# Allegro board Microroc_Hardroc2b_Test_Board.brd (continued)
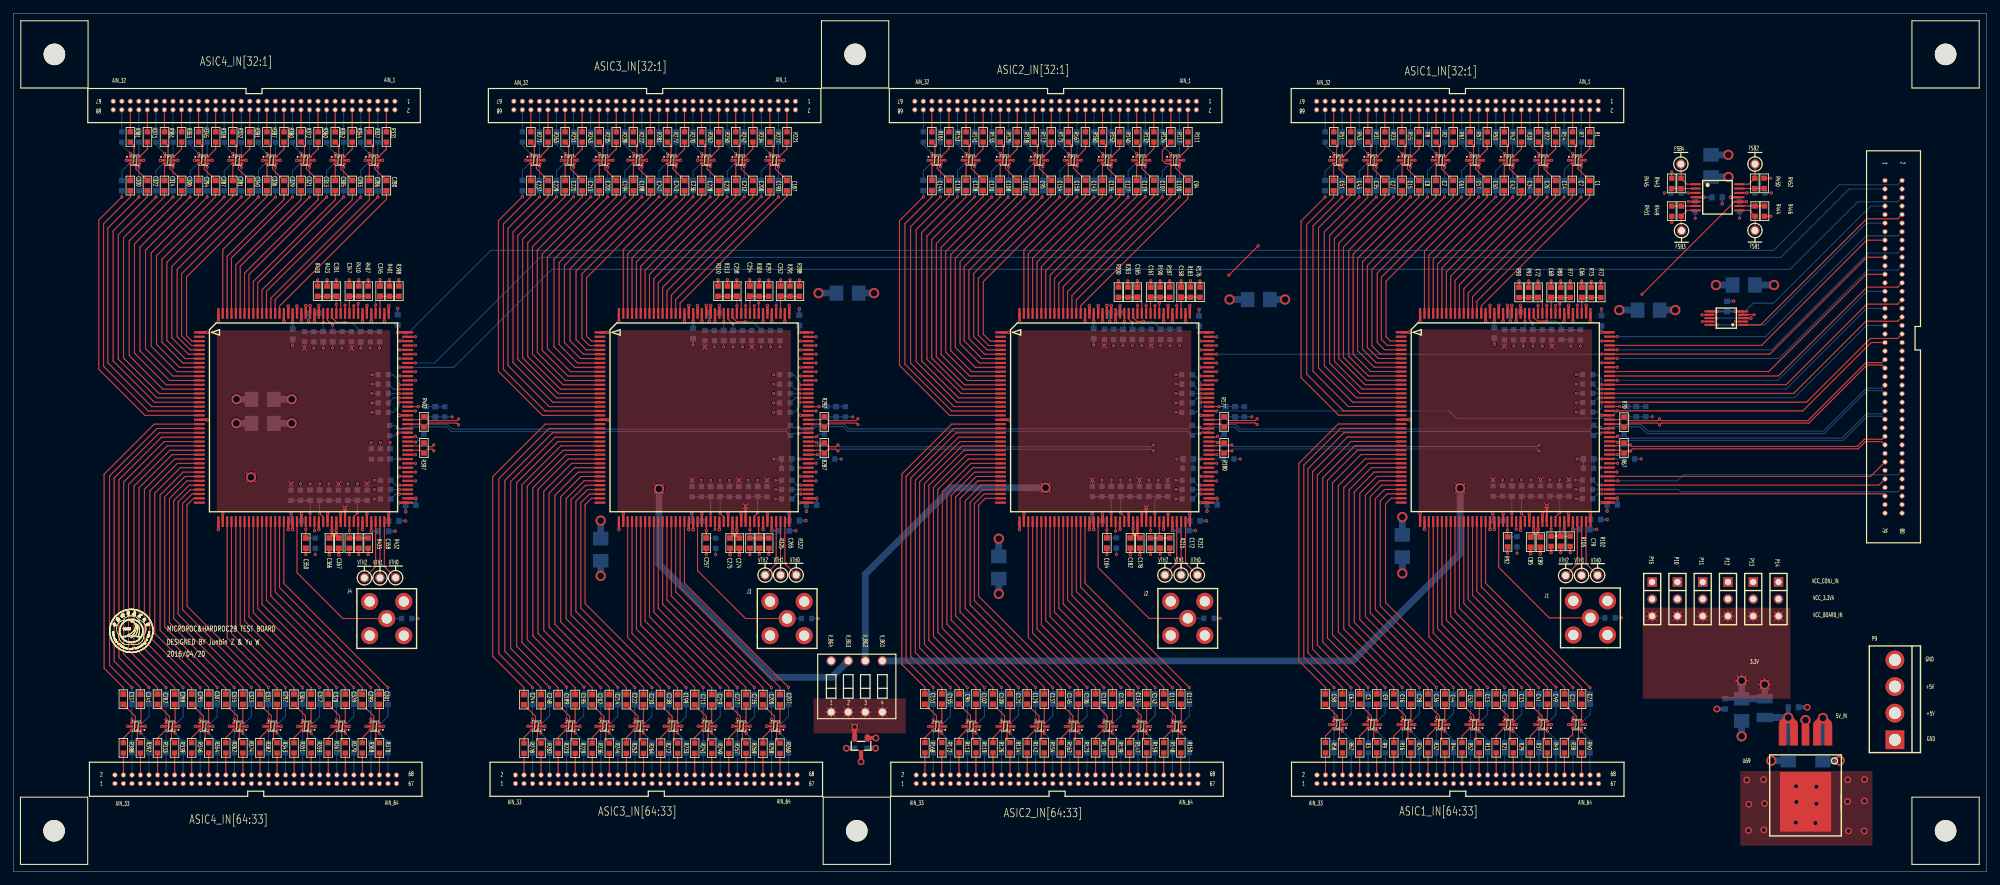
[diagram p0: board, top side]
## Routing (per net, layer and track width the routed paths; a pad name or vN(x,y) marks a point on that pad's centre or on a via; arc(x,y) is an arc through that point) (continued)
AIN_53_ASIC4: length 3.3
  TOP w0.152: R351.1 41.77,17.64 P8.44
AIN_54_ASIC1: length 3.3
  BOTTOM w0.152: R25.1 P1.46
AIN_54_ASIC2: length 3.3
  BOTTOM w0.152: P4.46 162.28,14.38 R135.1
AIN_54_ASIC3: length 3.2
  BOTTOM w0.152: R245.1 102.65,17.59 P6.46
AIN_54_ASIC4: length 3.3
  BOTTOM w0.152: P8.46 43.04,17.64 R355.1
AIN_55_ASIC1: length 3.3
  TOP w0.152: R29.1 P1.48
AIN_55_ASIC2: length 3.3
  TOP w0.152: R139.1 163.55,14.38 P4.48
AIN_55_ASIC3: length 3.2
  TOP w0.152: P6.48 103.92,17.59 R249.1
AIN_55_ASIC4: length 3.3
  TOP w0.152: R359.1 44.31,17.64 P8.48
AIN_56_ASIC1: length 3.3
  BOTTOM w0.152: R33.1 P1.50
AIN_56_ASIC2: length 3.3
  BOTTOM w0.152: P4.50 164.82,14.38 R143.1
AIN_56_ASIC3: length 3.2
  BOTTOM w0.152: P6.50 105.19,17.59 R253.1
AIN_56_ASIC4: length 3.3
  BOTTOM w0.152: P8.50 45.58,17.64 R363.1
AIN_57_ASIC1: length 3.3
  TOP w0.152: R37.1 P1.52
AIN_57_ASIC2: length 3.3
  TOP w0.152: R147.1 P4.52
AIN_57_ASIC3: length 3.2
  TOP w0.152: R257.1 106.46,17.59 P6.52
AIN_57_ASIC4: length 3.3
  TOP w0.152: R367.1 46.85,17.64 P8.52
AIN_58_ASIC1: length 3.3
  BOTTOM w0.152: R45.1 P1.54
AIN_58_ASIC2: length 3.3
  BOTTOM w0.152: R155.1 167.36,14.38 P4.54
AIN_58_ASIC3: length 3.2
  BOTTOM w0.152: R265.1 107.73,17.59 P6.54
AIN_58_ASIC4: length 3.3
  BOTTOM w0.152: R375.1 48.12,17.64 P8.54
AIN_59_ASIC1: length 3.3
  TOP w0.152: R49.1 P1.56
AIN_59_ASIC2: length 3.3
  TOP w0.152: R159.1 P4.56
AIN_59_ASIC3: length 3.2
  TOP w0.152: R269.1 109,17.6 P6.56
AIN_59_ASIC4: length 3.3
  TOP w0.152: R379.1 49.39,17.64 P8.56
AIN_60_ASIC1: length 3.3
  BOTTOM w0.152: R53.1 P1.58
AIN_60_ASIC2: length 3.3
  BOTTOM w0.152: R163.1 169.9,14.38 P4.58
AIN_60_ASIC3: length 3.2
  BOTTOM w0.152: P6.58 110.27,17.59 R273.1
AIN_60_ASIC4: length 3.3
  BOTTOM w0.152: P8.58 50.66,17.64 R383.1
AIN_61_ASIC1: length 3.3
  TOP w0.152: R38.1 P1.60
AIN_61_ASIC2: length 3.3
  TOP w0.152: R148.1 P4.60
AIN_61_ASIC3: length 3.2
  TOP w0.152: P6.60 111.54,17.59 R258.1
AIN_61_ASIC4: length 3.3
  TOP w0.152: P8.60 51.93,17.64 R368.1
AIN_62_ASIC1: length 3.3
  BOTTOM w0.152: R39.1 P1.62
AIN_62_ASIC2: length 3.3
  BOTTOM w0.152: R149.1 172.47,14.39 P4.62
AIN_62_ASIC3: length 3.2
  BOTTOM w0.152: R259.1 112.81,17.59 P6.62
AIN_62_ASIC4: length 3.3
  BOTTOM w0.152: P8.62 53.2,17.64 R369.1
AIN_63_ASIC1: length 3.3
  TOP w0.152: R40.1 P1.64
AIN_63_ASIC2: length 3.3
  TOP w0.152: R150.1 P4.64
AIN_63_ASIC3: length 3.2
  TOP w0.152: R260.1 114.08,17.59 P6.64
AIN_63_ASIC4: length 3.3
  TOP w0.152: R370.1 54.47,17.64 P8.64
AIN_64_ASIC1: length 3.3
  BOTTOM w0.152: R41.1 P1.66
AIN_64_ASIC2: length 3.3
  BOTTOM w0.152: R151.1 174.98,14.38 P4.66
AIN_64_ASIC3: length 3.2
  BOTTOM w0.152: R261.1 115.35,17.59 P6.66
AIN_64_ASIC4: length 3.3
  BOTTOM w0.152: R371.1 55.74,17.64 P8.66
CHIPSATB: length 243.9
  TOP w0.152: U71.30 280.42,84.48 275.79,84.48 263.8,72.49 U17.108 v1(236.35,72.49) ; U51.108 v1(117.01,72.47) ; U34.108 v1(176.73,72.47) ; U68.108 v1(57.41,72.47)
  SIG w0.152: v1(57.41,72.47) 75.17,72.47 75.92,73.23 114.71,73.23 115.46,72.47 v1(117.01,72.47) 135.29,72.47 135.94,73.13 174.32,73.13 174.97,72.47 v1(176.73,72.47) 191.47,72.47 192.28,73.28 234.26,73.28 235.05,72.49 v1(236.35,72.49)
  BOTTOM w0.152: v1(117.01,72.47) 117.01,73.03 116.08,73.96 R301.2 ; R191.2 175.64,73.96 176.74,72.87 176.74,72.48 v1(176.73,72.47) ; v1(57.41,72.47) 57.41,73.09 56.54,73.96 R411.2 ; v1(236.35,72.49) 236.35,73.31 235.66,73.99 R81.2
CK_5N: length 235.5
  TOP w0.152: v1(57.12,66.09) 57.24,65.97 U68.98 ; v1(176.56,66.14) 176.72,65.97 U34.98 ; U51.98 117.01,65.97 v1(116.89,66.09) ; U17.98 237.5,65.99 236.27,65.99 v1(236.15,66.1)
  BOTTOM w0.152: U71.49 278.05,71.96 275.72,71.96 269.32,65.56 243.26,65.56 242.24,66.57 237.72,66.57 236.98,65.83 236.42,65.83 v1(236.15,66.1) 236.12,66.14 235.49,66.14 R69.1 234.62,65.89 182.52,65.89 181.86,66.55 178.31,66.55 177.61,65.85 176.85,65.85 v1(176.56,66.14) 175.74,66.14 R182.1 174.9,65.91 124.31,65.91 123.62,66.6 119.26,66.6 118.37,65.71 117.27,65.71 v1(116.89,66.09) 115.93,66.09 115.6,66.42 115.04,65.86 65.32,65.86 64.61,66.57 59.51,66.57 58.78,65.84 57.37,65.84 v1(57.12,66.09) 57.12,66.16 56.86,66.42 56.01,66.42
CK_5P: length 235.4
  TOP w0.152: U34.97 176.67,65.32 v1(176.56,65.21) ; U68.97 57.23,65.32 v1(57.12,65.21) ; v1(116.89,65.21) 117.01,65.32 U51.97 ; v1(236.15,65.24) 236.25,65.34 U17.97
  BOTTOM w0.152: U71.51 278.05,71.6 275.86,71.6 269.46,65.2 243.11,65.2 242.09,66.22 237.87,66.22 237.13,65.48 236.39,65.48 v1(236.15,65.24) 236.12,65.28 235.54,65.28 R69.2 234.57,65.53 182.38,65.53 181.72,66.19 178.46,66.19 177.76,65.5 176.85,65.5 v1(176.56,65.21) 175.72,65.21 R182.2 174.8,65.56 124.16,65.56 123.47,66.24 119.41,66.24 118.52,65.35 117.04,65.35 v1(116.89,65.21) 115.9,65.21 R290.2 114.99,65.51 65.18,65.51 64.47,66.22 59.66,66.22 58.92,65.48 57.39,65.48 v1(57.12,65.21) 56.8,64.9 R400.2
CK_40N: length 251.7
  TOP w0.152: U71.43 278.05,75.77 275.67,75.77 267.04,67.13 245.21,67.13 v1(244.96,67.39) 244.7,67.13 240.21,67.13 R70.2 239.3,67.29 U17.100 ; v1(66.24,67.4) 65.98,67.13 61.67,67.13 R402.2 60.64,67.27 U68.100 ; v1(125.68,67.43) 125.38,67.13 121.26,67.13 R292.2 120.23,67.27 U51.100 ; U34.100 179.72,67.27 R177.2 180.72,67.16 184.81,67.16 v1(185.09,67.43)
  SIG w0.152: v1(244.96,67.39) 244.7,67.13 216.46,67.13 215.24,65.91 191.84,65.91 190.67,67.08 185.44,67.08 v1(185.09,67.43) 184.81,67.16 174.79,67.16 173.57,65.94 132.07,65.94 130.88,67.13 125.98,67.13 v1(125.68,67.43) 125.41,67.17 115.2,67.17 113.82,65.79 73.05,65.79 71.7,67.13 66.51,67.13 v1(66.24,67.4)
CK_40P: length 251.7
  TOP w0.152: v1(66.24,66.51) 65.98,66.78 61.67,66.78 R402.1 60.66,66.62 U68.99 ; U71.45 278.05,75.41 275.82,75.41 267.18,66.78 245.23,66.78 v1(244.96,66.5) 244.68,66.78 240.31,66.78 R70.1 239.18,66.64 U17.99 ; v1(185.09,66.55) 184.84,66.8 180.77,66.8 R177.1 179.73,66.62 U34.99 ; U51.99 120.24,66.62 R292.1 121.26,66.78 125.45,66.78 v1(125.68,66.55)
  SIG w0.152: v1(66.24,66.51) 66.51,66.78 71.56,66.78 72.9,65.43 113.97,65.43 115.35,66.81 125.41,66.81 v1(125.68,66.55) 125.91,66.78 130.73,66.78 131.93,65.58 173.72,65.58 174.94,66.8 184.84,66.8 v1(185.09,66.55) 185.27,66.73 190.53,66.73 191.69,65.56 215.39,65.56 216.61,66.78 244.68,66.78 v1(244.96,66.5)
DOUT1B: length 246.4
  TOP w0.152: U68.104 v1(57.41,69.87) ; U34.104 v1(176.73,69.87) ; v1(236.35,69.89) U17.104 266.84,69.89 276.33,79.38 280.39,79.38 U71.38 ; U51.104 v1(117.02,69.87)
  SIG w0.152: v1(57.41,69.87) 74.07,69.87 76.12,67.82 114.15,67.82 116.2,69.87 v1(117.02,69.87) 133.96,69.87 135.99,67.84 173.76,67.84 175.79,69.87 v1(176.73,69.87) 190.81,69.87 192.81,67.87 234.33,67.87 v1(236.35,69.89)
  BOTTOM w0.152: v1(176.73,69.87) 176.76,69.85 176.76,69.17 175.97,68.38 R196.2 ; R86.2 235.74,68.4 236.35,69.01 v1(236.35,69.89) ; R306.2 116.23,68.38 117.02,69.17 v1(117.02,69.87) ; R416.2 56.49,68.38 57.41,69.29 v1(57.41,69.87)
DOUT2B: length 240.6
  TOP w0.152: U51.105 v1(117.03,70.52) ; U68.105 v1(57.39,70.52) ; U17.105 v1(236.35,70.54) ; U34.105 v1(176.73,70.52)
  SIG w0.152: v1(236.35,70.54) 235.79,70.54 234.47,69.22 192.63,69.22 191.33,70.52 v1(176.73,70.52) 175.53,70.52 174.32,69.32 135.81,69.32 134.61,70.52 v1(117.03,70.52) 115.86,70.52 114.4,69.06 76.12,69.06 74.66,70.52 v1(57.39,70.52)
  BOTTOM w0.152: v1(117.03,70.52) 116.32,70.52 R307.2 ; R417.2 56.55,70.52 v1(57.39,70.52) ; v1(176.73,70.52) 176.16,70.52 R197.2 ; U71.35 275.79,81.31 265.03,70.54 v1(236.35,70.54) 235.79,70.54 R87.2
END_READOUT1: length 235.2
  TOP w0.152: U68.112 v1(57.52,75.07)
  BOTTOM w0.152: v1(57.52,75.07) 65.52,75.07 80.11,89.66 264.39,89.66 274.45,99.72 280.42,99.72 U71.6
END_READOUT2: length 230.6
  TOP w0.152: U68.113 v1(59.83,75.72)
  BOTTOM w0.152: v1(59.83,75.72) 62.64,75.72 78.36,91.44 262.99,91.44 273.18,101.63 U71.3
ESD_P1_ASIC1: length 7.3
  TOP w0.152: R1.2 234.57,107.63 U1.6 233.14,106.4 232.82,106.07 232.82,104.64 C1.1
ESD_P1_ASIC2: length 7.3
  TOP w0.152: R111.2 174.78,107.64 U18.6 173.34,106.4 172.95,106.01 172.95,104.74 C94.1
ESD_P1_ASIC3: length 7.2
  TOP w0.152: C187.1 113.41,104.6 113.41,106.05 113.76,106.4 U35.6 115.11,107.59 R221.2
ESD_P1_ASIC4: length 7.2
  TOP w0.152: C280.1 53.77,104.62 53.77,106.02 54.15,106.39 U52.6 55.5,107.58 R331.2
ESD_P2_ASIC1: length 6.3
  TOP w0.152: U1.4 233.3,105.36 v1(233.3,104.88)
  BOTTOM w0.152: R4.2 v1(233.3,104.88) 233.3,102.91 C4.1
ESD_P2_ASIC2: length 6.2
  TOP w0.152: v1(173.51,104.88) 173.51,105.37 U18.4
  BOTTOM w0.152: R114.2 v1(173.51,104.88) C97.1
ESD_P2_ASIC3: length 6.2
  TOP w0.152: v1(113.84,104.93) 113.84,105.32 U35.4
  BOTTOM w0.152: C190.1 v1(113.84,104.93) R224.2
ESD_P2_ASIC4: length 6.3
  TOP w0.152: v1(54.23,104.88) 54.23,105.31 U52.4
  BOTTOM w0.152: R334.2 v1(54.23,104.88) C283.1
ESD_P3_ASIC1: length 6.2
  TOP w0.152: C7.1 231.99,105.4 U1.3 232.19,105.4 232.45,105.66 232.45,108.17 R7.2
ESD_P3_ASIC2: length 7.2
  TOP w0.152: R117.2 170.97,107.34 170.97,105.89 171.46,105.4 U18.3 172.24,105.35 C100.1
ESD_P3_ASIC3: length 6.2
  TOP w0.152: C193.1 112.57,102.91 U35.3 112.73,105.4 113.08,105.75 113.08,108.1 R227.2
ESD_P3_ASIC4: length 6.3
  TOP w0.152: R337.2 53.49,108.08 53.49,105.76 53.12,105.39 U52.3 52.96,102.91 C286.1
ESD_P4_ASIC1: length 7.2
  TOP w0.152: v1(231.99,106.91) U1.1
  BOTTOM w0.152: R10.2 230.76,108.14 v1(231.99,106.91) 231.99,105.7 230.77,104.48 C10.1
ESD_P4_ASIC2: length 7.2
  TOP w0.152: v1(172.19,106.91) U18.1
  BOTTOM w0.152: R120.2 170.97,108.13 v1(172.19,106.91) 172.19,105.54 170.97,104.32 C103.1
ESD_P4_ASIC3: length 7.3
  TOP w0.152: U35.1 v1(112.57,106.93)
  BOTTOM w0.152: R230.2 111.28,108.23 v1(112.57,106.93) 112.57,105.56 111.28,104.27 C196.1
ESD_P4_ASIC4: length 7.3
  TOP w0.152: v1(52.96,106.91) 52.96,106.39 U52.1
  BOTTOM w0.152: C289.1 51.69,104.42 52.96,105.69 v1(52.96,106.91) 51.69,108.18 R340.2
ESD_P5_ASIC1: length 7.2
  TOP w0.152: C14.1 227.79,104.61 227.79,106.07 228.12,106.4 U2.6 229.49,107.58 R14.2
ESD_P5_ASIC2: length 7.3
  TOP w0.152: C107.1 167.92,104.7 167.92,106.03 168.29,106.4 U19.6 169.7,107.61 R124.2
ESD_P5_ASIC3: length 7.2
  TOP w0.152: C200.1 108.31,104.62 108.31,106.03 108.68,106.4 U36.6 110.03,107.59 R234.2
ESD_P5_ASIC4: length 7.2
  TOP w0.152: R344.2 50.42,107.58 U53.6 49.07,106.39 48.72,106.04 48.72,104.61 C293.1
ESD_P6_ASIC1: length 6.3
  TOP w0.152: U2.4 228.22,105.31 v1(228.22,104.88)
  BOTTOM w0.152: R18.2 v1(228.22,104.88) 228.22,102.91 C18.1
ESD_P6_ASIC2: length 6.2
  TOP w0.152: v1(168.43,104.93) 168.43,105.34 U19.4
  BOTTOM w0.152: C115.1 v1(168.43,104.93) R128.2
ESD_P6_ASIC3: length 6.2
  TOP w0.152: v1(108.76,104.95) 108.76,105.32 U36.4
  BOTTOM w0.152: C204.1 v1(108.76,104.95) R238.2
ESD_P6_ASIC4: length 6.3
  TOP w0.152: U53.4 49.15,105.31 v1(49.15,104.88)
  BOTTOM w0.152: C297.1 v1(49.15,104.88) R348.2
ESD_P7_ASIC1: length 6.2
  TOP w0.152: R22.2 227.42,108.14 227.42,105.66 227.16,105.4 U2.3 226.94,105.37 C26.1
ESD_P7_ASIC2: length 6.2
  TOP w0.152: R132.2 167.59,108.18 167.59,105.66 167.33,105.4 U19.3 167.13,102.94 C119.1
ESD_P7_ASIC3: length 6.3
  TOP w0.152: C212.1 107.49,102.9 U36.3 107.66,105.4 108.03,105.77 108.03,108.08 R242.2
ESD_P7_ASIC4: length 6.3
  TOP w0.152: R352.2 48.41,108.08 48.41,105.76 48.05,105.39 U53.3 47.88,102.9 C305.1
ESD_P8_ASIC1: length 7.3
  TOP w0.152: v1(226.96,106.91) U2.1
  BOTTOM w0.152: R26.2 225.68,108.19 v1(226.96,106.91) 226.96,105.68 225.69,104.41 C30.1
ESD_P8_ASIC2: length 7.2
  TOP w0.152: v1(167.13,106.91) U19.1
  BOTTOM w0.152: R136.2 165.89,108.16 v1(167.13,106.91) 167.13,105.56 165.89,104.32 C123.1
ESD_P8_ASIC3: length 7.3
  TOP w0.152: v1(107.49,106.91) U36.1
  BOTTOM w0.152: R246.2 106.22,108.18 v1(107.49,106.91) 107.49,105.56 106.22,104.29 C216.1
ESD_P8_ASIC4: length 7.3
  TOP w0.152: v1(47.88,106.91) U53.1
  BOTTOM w0.152: R356.2 46.61,108.18 v1(47.88,106.91) 47.88,105.59 46.61,104.32 C309.1
ESD_P9_ASIC1: length 7.3
  TOP w0.152: C34.1 222.64,104.65 222.64,106.03 223.01,106.4 U3.6 224.41,107.6 R30.2
ESD_P9_ASIC2: length 7.3
  TOP w0.152: C127.1 162.84,104.7 162.84,106.03 163.21,106.4 U20.6 164.62,107.61 R140.2
ESD_P9_ASIC3: length 7.2
  TOP w0.152: R250.2 104.95,107.59 U37.6 103.6,106.4 103.23,106.02 103.23,104.62 C220.1
ESD_P9_ASIC4: length 7.3
  TOP w0.152: R360.2 45.34,107.58 U54.6 43.99,106.39 43.59,105.99 43.59,104.65 C313.1
ESD_P10_ASIC1: length 6.3
  TOP w0.152: v1(223.14,104.88) 223.14,105.33 U3.4
  BOTTOM w0.152: C38.1 223.14,102.91 v1(223.14,104.88) R34.2
ESD_P10_ASIC2: length 6.2
  TOP w0.152: U20.4 163.35,105.34 v1(163.35,104.95)
  BOTTOM w0.152: C131.1 v1(163.35,104.95) R144.2
ESD_P10_ASIC3: length 6.2
  TOP w0.152: v1(103.68,104.98) 103.68,105.32 U37.4
  BOTTOM w0.152: R254.2 v1(103.68,104.98) C224.1
ESD_P10_ASIC4: length 6.3
  TOP w0.152: v1(44.07,104.88) 44.07,105.31 U54.4
  BOTTOM w0.152: R364.2 v1(44.07,104.88) C317.1
ESD_P11_ASIC1: length 6.2
  TOP w0.152: R42.2 222.31,108.17 222.31,105.66 222.05,105.4 U3.3 C42.1
ESD_P11_ASIC2: length 6.2
  TOP w0.152: R152.2 162.51,108.17 162.51,105.66 162.25,105.4 U20.3 162.05,102.92 C135.1
ESD_P11_ASIC3: length 6.2
  TOP w0.152: C228.1 102.41,102.9 U37.3 102.58,105.4 102.92,105.74 102.92,108.1 R262.2
ESD_P11_ASIC4: length 6.2
  TOP w0.152: C321.1 42.8,102.9 U54.3 42.97,105.39 43.31,105.73 43.31,108.1 R372.2
ESD_P12_ASIC1: length 7.3
  TOP w0.152: v1(221.86,106.91) U3.1
  BOTTOM w0.152: C46.1 220.59,104.36 221.86,105.63 v1(221.86,106.91) 220.6,108.17 R46.2
ESD_P12_ASIC2: length 7.2
  TOP w0.152: v1(162.05,106.91) U20.1
  BOTTOM w0.152: R156.2 160.81,108.16 v1(162.05,106.91) 162.05,105.62 160.81,104.37 C139.1
ESD_P12_ASIC3: length 7.3
  TOP w0.152: U37.1 102.41,106.93 v1(102.41,106.93)
  BOTTOM w0.152: R266.2 101.14,108.2 v1(102.41,106.93) 102.41,105.56 101.14,104.29 C232.1
ESD_P12_ASIC4: length 7.3
  TOP w0.152: v1(42.8,106.93) U54.1
  BOTTOM w0.152: C325.1 41.53,104.29 42.8,105.57 v1(42.8,106.93) 41.53,108.21 R376.2
ESD_P13_ASIC1: length 7.3
  TOP w0.152: C50.1 217.6,104.61 217.6,106.04 217.96,106.39 U4.6 219.33,107.56 R50.2
ESD_P13_ASIC2: length 7.3
  TOP w0.152: R160.2 159.53,107.6 U21.6 158.13,106.4 157.76,106.03 157.76,104.72 C143.1
ESD_P13_ASIC3: length 7.2
  TOP w0.152: C236.1 98.15,104.62 98.15,106.03 98.52,106.4 U38.6 99.86,107.58 R270.2
ESD_P13_ASIC4: length 7.2
  TOP w0.152: R380.2 40.26,107.58 U55.6 38.91,106.39 38.56,106.04 38.56,104.6 C329.1
ESD_P14_ASIC1: length 6.3
  TOP w0.152: U4.4 218.06,105.29 v1(218.06,104.88)
  BOTTOM w0.152: R54.2 v1(218.06,104.88) 218.06,102.91 C54.1
ESD_P14_ASIC2: length 6.1
  TOP w0.152: v1(158.27,105) 158.27,105.34 U21.4
  BOTTOM w0.152: R164.2 v1(158.27,105) C147.1
ESD_P14_ASIC3: length 6.2
  TOP w0.152: U38.4 98.6,105.32 v1(98.6,104.93)
  BOTTOM w0.152: R274.2 v1(98.6,104.93) C240.1
ESD_P14_ASIC4: length 6.3
  TOP w0.152: U55.4 38.99,105.31 v1(38.99,104.88)
  BOTTOM w0.152: R384.2 v1(38.99,104.88) C333.1
ESD_P15_ASIC1: length 6.2
  TOP w0.152: C57.1 216.8,105.39 U4.3 217.01,105.39 217.26,105.65 217.26,108.14 R57.2
ESD_P15_ASIC2: length 6.2
  TOP w0.152: C150.1 156.98,102.93 U21.3 157.17,105.4 157.43,105.66 157.43,108.17 R167.2
ESD_P15_ASIC3: length 6.3
  TOP w0.152: C243.1 97.33,102.91 U38.3 97.5,105.4 97.87,105.77 97.87,108.08 R277.2
ESD_P15_ASIC4: length 6.3
  TOP w0.152: C336.1 37.73,102.9 U55.3 37.89,105.39 38.25,105.76 38.25,108.08 R387.2
ESD_P16_ASIC1: length 7.3
  TOP w0.152: v1(216.81,106.91) U4.1
  BOTTOM w0.152: R59.2 215.52,108.2 v1(216.81,106.91) 216.81,105.63 215.51,104.33 C59.1
ESD_P16_ASIC2: length 7.3
  TOP w0.152: v1(156.98,106.91) U21.1
  BOTTOM w0.152: R169.2 155.7,108.18 v1(156.98,106.91) 156.98,105.59 155.7,104.32 C152.1
ESD_P16_ASIC3: length 7.2
  TOP w0.152: v1(97.33,106.86) U38.1
  BOTTOM w0.152: C245.1 96.06,104.34 97.33,105.61 v1(97.33,106.86) 96.06,108.13 R279.2
ESD_P16_ASIC4: length 7.3
  TOP w0.152: v1(37.73,106.91) U55.1
  BOTTOM w0.152: R389.2 36.45,108.19 v1(37.73,106.91) 37.73,105.67 36.45,104.39 C338.1
ESD_P17_ASIC1: length 7.3
  TOP w0.152: C61.1 212.52,104.61 212.52,106.06 212.86,106.4 U6.6 214.25,107.59 R61.2
ESD_P17_ASIC2: length 7.3
  TOP w0.152: C154.1 152.7,104.66 152.7,106.04 153.07,106.4 U22.6 154.45,107.58 R171.2
ESD_P17_ASIC3: length 7.2
  TOP w0.152: C247.1 93.07,104.64 93.07,106.02 93.44,106.4 U39.6 94.79,107.59 R281.2
ESD_P17_ASIC4: length 7.2
  TOP w0.152: C340.1 33.48,104.6 33.48,106.04 33.83,106.39 U56.6 35.18,107.58 R391.2
ESD_P18_ASIC1: length 6.3
  TOP w0.152: v1(212.98,104.88) 212.98,105.32 U6.4
  BOTTOM w0.152: R63.2 v1(212.98,104.88) 212.98,102.91 C63.1
ESD_P18_ASIC2: length 6.2
  TOP w0.152: v1(153.19,104.95) 153.19,105.32 U22.4
  BOTTOM w0.152: C156.1 v1(153.19,104.95) R173.2
ESD_P18_ASIC3: length 6.2
  TOP w0.152: U39.4 93.52,105.32 v1(93.52,104.9)
  BOTTOM w0.152: C249.1 v1(93.52,104.9) R283.2
ESD_P18_ASIC4: length 6.3
  TOP w0.152: v1(33.91,104.88) 33.91,105.31 U56.4
  BOTTOM w0.152: R393.2 v1(33.91,104.88) C342.1
ESD_P19_ASIC1: length 6.2
  TOP w0.152: R2.2 212.19,108.13 212.19,105.68 211.91,105.4 U6.3 211.7,105.39 C2.1
ESD_P19_ASIC2: length 6.2
  TOP w0.152: C95.1 151.92,102.93 U22.3 152.12,105.4 152.37,105.66 152.37,108.16 R112.2
ESD_P19_ASIC3: length 6.2
  TOP w0.152: C188.1 92.25,102.91 U39.3 92.42,105.4 92.76,105.74 92.76,108.1 R222.2
ESD_P19_ASIC4: length 6.3
  TOP w0.152: C281.1 32.65,102.9 U56.3 32.81,105.39 33.17,105.76 33.17,108.08 R332.2
ESD_P20_ASIC1: length 7.3
  TOP w0.152: v1(211.71,106.93) U6.1
  BOTTOM w0.152: R5.2 210.44,108.21 v1(211.71,106.93) 211.71,105.59 210.43,104.31 C5.1
ESD_P20_ASIC2: length 7.2
  TOP w0.152: v1(151.92,106.91) U22.1
  BOTTOM w0.152: R115.2 150.65,108.18 v1(151.92,106.91) 151.92,105.56 150.65,104.29 C98.1
ESD_P20_ASIC3: length 7.3
  TOP w0.152: U39.1 92.25,106.4 v1(92.25,106.93)
  BOTTOM w0.152: R225.2 90.98,108.2 v1(92.25,106.93) 92.25,105.59 90.98,104.32 C191.1
ESD_P20_ASIC4: length 7.3
  TOP w0.152: v1(32.65,106.91) U56.1
  BOTTOM w0.152: C284.1 31.37,104.34 32.65,105.62 v1(32.65,106.91) 31.37,108.19 R335.2
ESD_P21_ASIC1: length 7.3
  TOP w0.152: R8.2 209.17,107.59 U5.6 207.79,106.4 207.44,106.06 207.44,104.61 C8.1
ESD_P21_ASIC2: length 7.3
  TOP w0.152: R118.2 149.38,107.59 U24.6 147.99,106.4 147.62,106.04 147.62,104.67 C101.1
ESD_P21_ASIC3: length 7.2
  TOP w0.152: C194.1 88.01,104.6 88.01,106.05 88.37,106.4 U40.6 89.71,107.59 R228.2
ESD_P21_ASIC4: length 7.2
  TOP w0.152: C287.1 28.4,104.59 28.4,106.04 28.75,106.39 U57.6 30.1,107.58 R338.2
ESD_P22_ASIC1: length 6.3
  TOP w0.152: v1(207.9,104.88) 207.9,105.32 U5.4
  BOTTOM w0.152: C11.1 207.9,102.91 v1(207.9,104.88) R11.2
ESD_P22_ASIC2: length 6.2
  TOP w0.152: v1(148.11,104.9) 148.11,105.32 U24.4
  BOTTOM w0.152: C104.1 v1(148.11,104.9) R121.2
ESD_P22_ASIC3: length 6.3
  TOP w0.152: v1(88.44,104.88) 88.44,105.32 U40.4
  BOTTOM w0.152: R231.2 v1(88.44,104.88) C197.1
ESD_P22_ASIC4: length 6.3
  TOP w0.152: v1(28.83,104.88) 28.83,105.31 U57.4
  BOTTOM w0.152: C290.1 v1(28.83,104.88) R341.2
ESD_P23_ASIC1: length 6.2
  TOP w0.152: C15.1 206.64,105.4 U5.3 206.83,105.4 207.09,105.66 207.09,108.15 R15.2
ESD_P23_ASIC2: length 6.2
  TOP w0.152: R125.2 147.29,108.16 147.29,105.66 147.04,105.4 U24.3 146.84,102.92 C108.1
ESD_P23_ASIC3: length 6.3
  TOP w0.152: R235.2 87.71,108.08 87.71,105.77 87.34,105.4 U40.3 87.18,102.9 C201.1
ESD_P23_ASIC4: length 6.3
  TOP w0.152: R345.2 28.12,108.05 28.12,105.78 27.73,105.39 U57.3 27.57,102.92 C294.1
ESD_P24_ASIC1: length 7.3
  TOP w0.152: v1(206.64,106.93) U5.1
  BOTTOM w0.152: C19.1 205.35,104.28 206.64,105.57 v1(206.64,106.93) 205.36,108.2 R19.2
ESD_P24_ASIC2: length 7.3
  TOP w0.152: v1(146.84,106.93) U24.1
  BOTTOM w0.152: R129.2 145.57,108.21 v1(146.84,106.93) 146.84,105.54 145.57,104.27 C116.1
ESD_P24_ASIC3: length 7.3
  TOP w0.152: v1(87.18,106.91) U40.1
  BOTTOM w0.152: R239.2 85.9,108.18 v1(87.18,106.91) 87.18,105.59 85.9,104.32 C209.1
ESD_P24_ASIC4: length 7.3
  TOP w0.152: v1(27.57,106.91) U57.1
  BOTTOM w0.152: R349.2 26.29,108.19 v1(27.57,106.91) 27.57,105.54 26.29,104.27 C298.1
ESD_P25_ASIC1: length 7.3
  TOP w0.152: R23.2 204.09,107.6 U7.6 202.69,106.4 202.34,106.05 202.34,104.64 C27.1
ESD_P25_ASIC2: length 7.3
  TOP w0.152: R133.2 144.3,107.59 U25.6 142.91,106.4 142.54,106.03 142.54,104.67 C120.1
ESD_P25_ASIC3: length 7.2
  TOP w0.152: R243.2 84.63,107.58 U41.6 83.29,106.4 82.93,106.04 82.93,104.6 C213.1
ESD_P25_ASIC4: length 7.2
  TOP w0.152: C306.1 23.29,104.64 23.29,106.01 23.68,106.39 U58.6 25.02,107.57 R353.2
ESD_P26_ASIC1: length 6.3
  TOP w0.152: v1(202.82,104.88) 202.82,105.33 U7.4
  BOTTOM w0.152: R27.2 v1(202.82,104.88) 202.82,102.91 C31.1
ESD_P26_ASIC2: length 6.2
  TOP w0.152: v1(143.03,104.95) 143.03,105.32 U25.4
  BOTTOM w0.152: R137.2 v1(143.03,104.95) C124.1
ESD_P26_ASIC3: length 6.3
  TOP w0.152: v1(83.36,104.88) 83.36,105.31 U41.4
  BOTTOM w0.152: R247.2 v1(83.36,104.88) C217.1
ESD_P26_ASIC4: length 6.3
  TOP w0.152: v1(23.75,104.88) 23.75,105.3 U58.4
  BOTTOM w0.152: C310.1 v1(23.75,104.88) R357.2
ESD_P27_ASIC1: length 6.2
  TOP w0.152: R31.2 201.99,108.17 201.99,105.66 201.74,105.4 U7.3 201.54,105.4 C35.1
ESD_P27_ASIC2: length 6.2
  TOP w0.152: R141.2 142.21,108.15 142.21,105.66 141.96,105.4 U25.3 141.76,102.92 C128.1
ESD_P27_ASIC3: length 6.3
  TOP w0.152: R251.2 82.63,108.08 82.63,105.76 82.26,105.4 U41.3 82.1,102.9 C221.1
ESD_P27_ASIC4: length 6.3
  TOP w0.152: C314.1 22.49,102.9 U58.3 22.65,105.39 23.01,105.76 23.01,108.08 R361.2
ESD_P28_ASIC1: length 7.3
  TOP w0.152: v1(201.54,106.91) U7.1
  BOTTOM w0.152: C39.1 200.27,104.28 201.54,105.55 v1(201.54,106.91) 200.28,108.17 R35.2
ESD_P28_ASIC2: length 7.3
  TOP w0.152: v1(141.76,106.91) U25.1
  BOTTOM w0.152: R145.2 140.49,108.18 v1(141.76,106.91) 141.76,105.62 140.49,104.34 C132.1
ESD_P28_ASIC3: length 7.3
  TOP w0.152: v1(82.1,106.91) U41.1
  BOTTOM w0.152: R255.2 80.82,108.19 v1(82.1,106.91) 82.09,106.9 82.09,105.59 80.82,104.32 C225.1
ESD_P28_ASIC4: length 7.3
  TOP w0.152: v1(22.49,106.93) U58.1
  BOTTOM w0.152: R365.2 21.21,108.2 v1(22.49,106.93) 22.49,105.65 21.21,104.37 C318.1
ESD_P29_ASIC1: length 7.3
  TOP w0.152: R43.2 199.01,107.6 U8.6 197.62,106.4 197.26,106.04 197.26,104.64 C43.1
ESD_P29_ASIC2: length 7.3
  TOP w0.152: C136.1 137.46,104.67 137.46,106.04 137.83,106.4 U23.6 139.21,107.58 R153.2
ESD_P29_ASIC3: length 7.2
  TOP w0.152: R263.2 79.55,107.61 U42.6 78.18,106.4 77.83,106.04 77.83,104.64 C229.1
ESD_P29_ASIC4: length 7.2
  TOP w0.152: R373.2 19.94,107.58 U59.6 18.59,106.39 18.24,106.04 18.24,104.6 C322.1
ESD_P30_ASIC1: length 6.3
  TOP w0.152: U8.4 197.74,105.33 v1(197.74,104.88)
  BOTTOM w0.152: R47.2 v1(197.74,104.88) 197.74,102.91 C47.1
ESD_P30_ASIC2: length 6.2
  TOP w0.152: U23.4 137.95,105.32 v1(137.95,104.95)
  BOTTOM w0.152: C140.1 v1(137.95,104.95) R157.2
ESD_P30_ASIC3: length 6.1
  TOP w0.152: v1(78.28,105.03) 78.28,105.34 U42.4
  BOTTOM w0.152: C233.1 v1(78.28,105.03) R267.2
ESD_P30_ASIC4: length 6.3
  TOP w0.152: v1(18.67,104.88) 18.67,105.31 U59.4
  BOTTOM w0.152: C326.1 v1(18.67,104.88) R377.2
ESD_P31_ASIC1: length 6.2
  TOP w0.152: R51.2 196.92,108.16 196.92,105.66 196.66,105.4 U8.3 196.46,105.39 C51.1
ESD_P31_ASIC2: length 6.2
  TOP w0.152: C144.1 136.68,102.92 U23.3 136.88,105.4 137.13,105.66 137.13,108.15 R161.2
ESD_P31_ASIC3: length 6.2
  TOP w0.152: R271.2 77.52,108.09 77.52,105.76 77.16,105.4 U42.3 77,102.9 C237.1
ESD_P31_ASIC4: length 6.3
  TOP w0.152: C330.1 17.41,102.9 U59.3 17.57,105.39 17.93,105.76 17.93,108.08 R381.2
ESD_P32_ASIC1: length 7.3
  TOP w0.152: v1(196.46,106.91) U8.1
  BOTTOM w0.152: C55.1 195.19,104.23 196.46,105.51 v1(196.46,106.91) 195.2,108.17 R55.2
ESD_P32_ASIC2: length 7.3
  TOP w0.152: v1(136.68,106.91) U23.1
  BOTTOM w0.152: C148.1 135.41,104.34 136.68,105.61 v1(136.68,106.91) 135.41,108.18 R165.2
ESD_P32_ASIC3: length 7.2
  TOP w0.152: v1(77,106.83) U42.1
  BOTTOM w0.152: C241.1 75.74,104.37 77,105.62 v1(77,106.83) 75.74,108.08 R275.2
ESD_P32_ASIC4: length 7.3
  TOP w0.152: v1(17.41,106.93) U59.1
  BOTTOM w0.152: R385.2 16.13,108.21 v1(17.41,106.93) 17.4,106.93 17.4,105.56 16.13,104.29 C334.1
ESD_P33_ASIC1: length 7.3
  TOP w0.152: R58.2 195.25,20.19 U9.6 196.64,21.39 196.98,21.72 196.98,23.17 C58.1
ESD_P33_ASIC2: length 7.3
  TOP w0.152: R168.2 135.64,19.95 U26.6 136.99,21.11 137.36,21.48 137.36,23.17 C151.1
ESD_P33_ASIC3: length 7.2
  TOP w0.152: R278.2 75.97,19.95 U43.6 77.32,21.13 77.7,21.51 77.7,23.1 C244.1
ESD_P33_ASIC4: length 7.3
  TOP w0.152: C337.1 18.14,23.11 18.14,21.47 17.78,21.11 U60.6 16.36,19.85 R388.2
ESD_P34_ASIC1: length 6.3
  TOP w0.152: U9.4 196.52,22.46 v1(196.52,22.91)
  BOTTOM w0.152: C60.1 v1(196.52,22.91) R60.2
ESD_P34_ASIC2: length 6.2
  TOP w0.152: v1(136.88,22.61) 136.88,22.19 U26.4
  BOTTOM w0.152: C153.1 v1(136.88,22.61) R170.2
ESD_P34_ASIC3: length 6.3
  TOP w0.152: v1(77.24,22.66) 77.24,22.22 U43.4
  BOTTOM w0.152: R280.2 v1(77.24,22.66) C246.1
ESD_P34_ASIC4: length 6.2
  TOP w0.152: U60.4 17.63,22.12 v1(17.63,22.63)
  BOTTOM w0.152: C339.1 v1(17.63,22.63) R390.2
ESD_P35_ASIC1: length 6.2
  TOP w0.152: C62.1 197.78,22.4 U9.3 197.59,22.39 197.34,22.13 197.34,19.65 R62.2
ESD_P35_ASIC2: length 6.2
  TOP w0.152: R172.2 137.69,19.66 137.69,21.85 137.95,22.11 U26.3 138.16,22.12 C155.1